# Altium PCB 10515.0500_Display_System（6拼版）_V1.0_20200907.PcbDoc (part 6 of 13)
Units mm, origin at the board's own origin, x right, y up, seen from the top; angles counter-clockwise.
Board outline 157 x 228.4 mm, 4 copper layers (Top Layer, Mid-Layer 1, Mid-Layer 2, Bottom Layer); 516 components, 0 nets, 1971 pads, 894 vias.
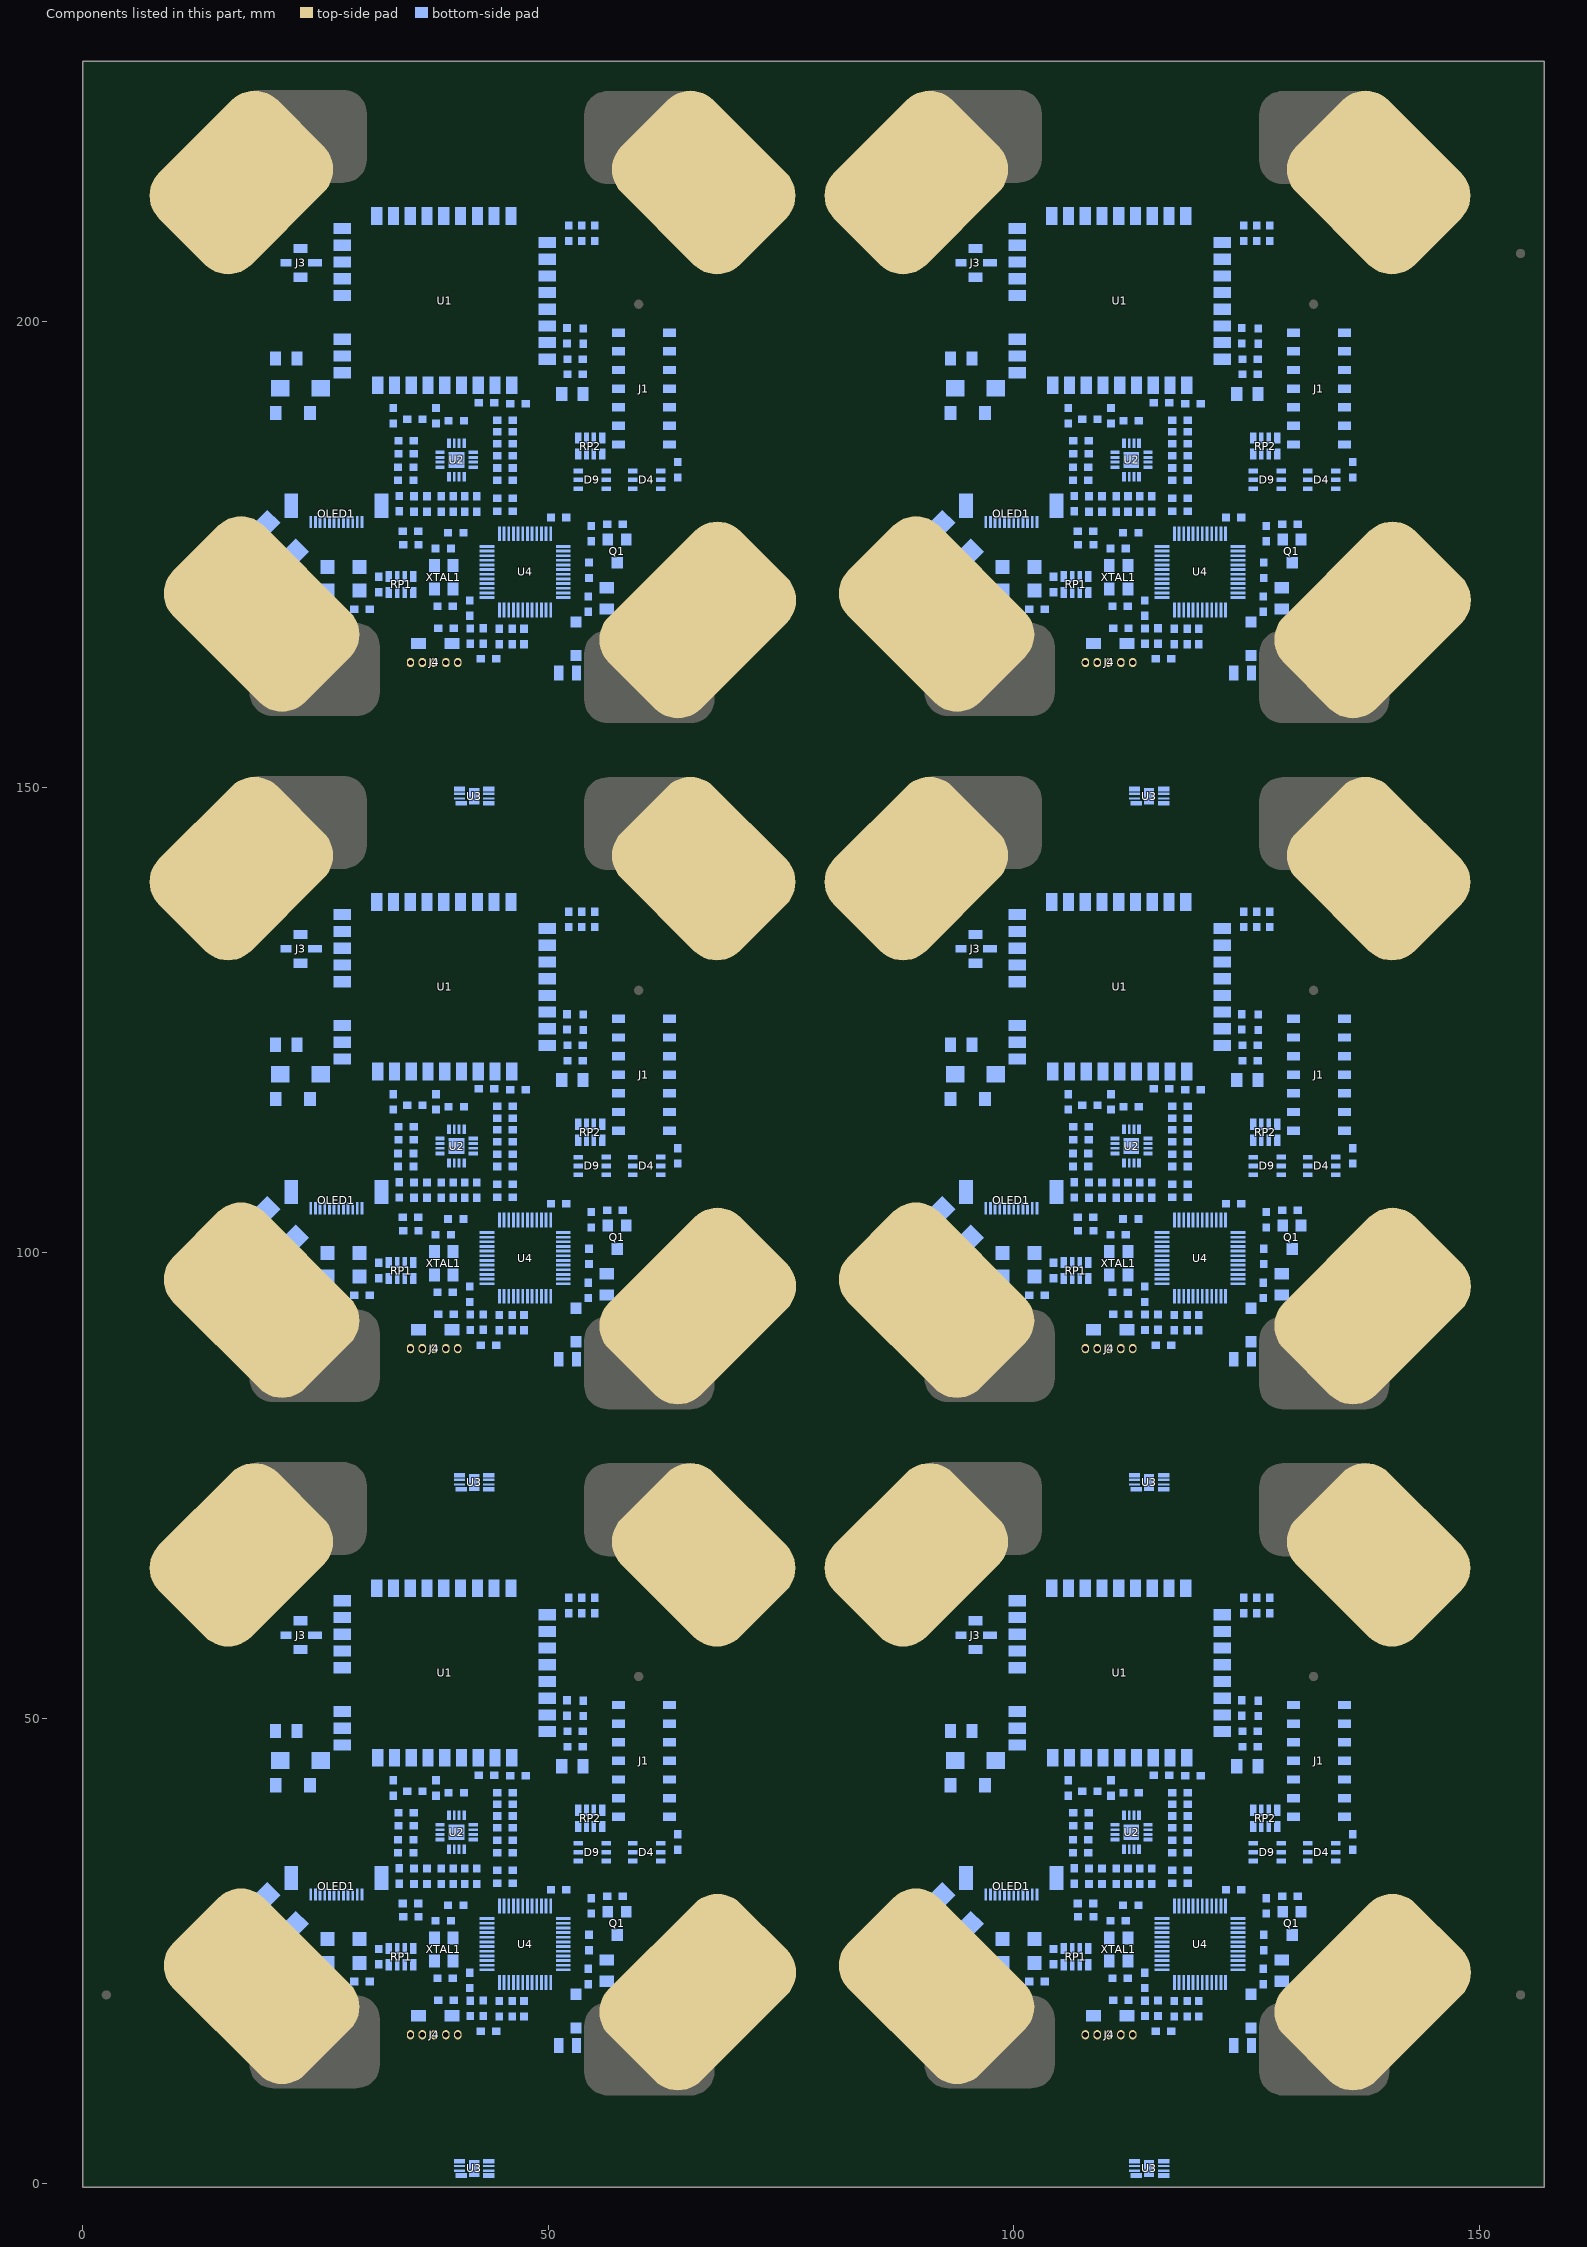
[diagram p8: the components of this part, seen from the top]

## Via types
v1: diameter 0.7, hole 0.4, Top Layer to Bottom Layer, tented both sides, 894 vias

## Nets (pads, with @x,y where several pads share a name; then routed paths per layer and width w, separated by ;. In a path a pad name is that pad's centre, name@x,y a point inside that pad or via, vN(x,y) a via of type N, cw(c..) or ccw(c..) an arc to the next point about the centre after c; other vN are vias at no path point) (continued)
copper on no net: (continued)
  Bottom Layer w0.25: 17.435,66.929 17.435,68.072 18.197,68.834 22.134,68.834 ; 17.435,140.629 17.435,141.772 18.197,142.534 22.134,142.534 ; 17.435,214.329 17.435,215.472 18.197,216.234 22.134,216.234 ; 20.991,21.463 27.214,21.463 v1(27.849,22.098) ; 20.991,66.929 21.372,66.929 21.753,66.548 55.027,66.548 56.043,65.532 56.043,56.134 55.281,55.372 52.106,55.372 51.852,55.118 v1(51.852,54.483) ; 20.991,95.163 27.214,95.163 v1(27.849,95.798) ; 20.991,140.629 21.372,140.629 21.753,140.248 55.027,140.248 56.043,139.232 56.043,129.834 55.281,129.072 52.106,129.072 51.852,128.818 v1(51.852,128.183) ; 20.991,168.863 27.214,168.863 v1(27.849,169.498) ; 20.991,214.329 21.372,214.329 21.753,213.948 55.027,213.948 56.043,212.932 56.043,203.534 55.281,202.772 52.106,202.772 51.852,202.518 v1(51.852,201.883) ; 21.108,66.686 cw(c21.281,65.949) 21.817,66.485 ; 21.108,140.386 cw(c21.281,139.649) 21.817,140.185 ; 21.108,214.086 cw(c21.281,213.349) 21.817,213.885 ; 21.352,21.102 cw(c22.223,20.232) 22.223,21.463 cw(c22.223,22.694) 21.352,21.824 ; 21.352,94.802 cw(c22.223,93.932) 22.223,95.163 cw(c22.223,96.394) 21.352,95.524 ; 21.352,168.502 cw(c22.223,167.632) 22.223,168.863 cw(c22.223,170.094) 21.352,169.224 ; 21.501,67.183 ccw(c22.426,67.183) 21.772,66.529 ; 21.501,140.883 ccw(c22.426,140.883) 21.772,140.229 ; 21.501,214.583 ccw(c22.426,214.583) 21.772,213.929 ; 21.66,58.734 cw(c21.19,58.264) 21.854,58.264 cw(c22.518,58.264) 22.049,58.734 ; 21.66,59.122 ccw(c21.19,59.592) 21.854,59.592 ccw(c22.518,59.592) 22.049,59.122 ; 21.66,132.434 cw(c21.19,131.964) 21.854,131.964 cw(c22.518,131.964) 22.049,132.434 ; 21.66,132.822 ccw(c21.19,133.292) 21.854,133.292 ccw(c22.518,133.292) 22.049,132.822 ; 21.66,206.134 cw(c21.19,205.664) 21.854,205.664 cw(c22.518,205.664) 22.049,206.134 ; 21.66,206.522 ccw(c21.19,206.992) 21.854,206.992 ccw(c22.518,206.992) 22.049,206.522 ; 22.852,60.256 ccw(c22.414,59.935) 22.414,60.478 ccw(c22.414,61.021) 22.852,60.7 ; 22.852,133.956 ccw(c22.414,133.635) 22.414,134.178 ccw(c22.414,134.721) 22.852,134.4 ; 22.852,207.656 ccw(c22.414,207.335) 22.414,207.878 ccw(c22.414,208.421) 22.852,208.1 ; 22.881,57.121 ccw(c22.287,56.563) 22.287,57.378 ccw(c22.287,58.193) 22.881,57.635 ; 22.881,130.821 ccw(c22.287,130.263) 22.287,131.078 ccw(c22.287,131.893) 22.881,131.335 ; 22.881,204.521 ccw(c22.287,203.963) 22.287,204.778 ccw(c22.287,205.593) 22.881,205.035 ; 23.912,67.31 22.388,68.834 22.134,68.834 ; 23.912,141.01 22.388,142.534 22.134,142.534 ; 23.912,214.71 22.388,216.234 22.134,216.234 ; 23.919,57.113 cw(c24.56,56.473) 24.56,57.378 cw(c24.56,58.283) 23.919,57.643 ; 23.919,60.213 cw(c24.56,59.573) 24.56,60.478 cw(c24.56,61.383) 23.919,60.743 ; 23.919,130.813 cw(c24.56,130.173) 24.56,131.078 cw(c24.56,131.983) 23.919,131.343 ; 23.919,133.913 cw(c24.56,133.273) 24.56,134.178 cw(c24.56,135.083) 23.919,134.443 ; 23.919,204.513 cw(c24.56,203.873) 24.56,204.778 cw(c24.56,205.683) 23.919,205.043 ; 23.919,207.613 cw(c24.56,206.973) 24.56,207.878 cw(c24.56,208.783) 23.919,208.143 ; 25.008,31.076 25.008,25.32 26.046,24.282 26.3,24.282 ; 25.008,104.776 25.008,99.02 26.046,97.982 26.3,97.982 ; 25.008,178.476 25.008,172.72 26.046,171.682 26.3,171.682 ; 25.018,25.31 cw(c23.432,23.724) 25.675,23.724 ; 25.018,99.01 cw(c23.432,97.424) 25.675,97.424 ; 25.018,172.71 cw(c23.432,171.124) 25.675,171.124 ; 25.182,45.466 25.588,45.466 ; 25.182,119.166 25.588,119.166 ; 25.182,192.866 25.588,192.866 ; 25.445,24.883 cw(c24.285,23.724) 25.925,23.724 ; 25.445,98.583 cw(c24.285,97.424) 25.925,97.424 ; 25.445,172.283 cw(c24.285,171.124) 25.925,171.124 ; 25.508,31.076 25.508,28.503 ; 25.508,104.776 25.508,102.203 ; 25.508,178.476 25.508,175.903 ; 25.59,60.478 ccw(c25.59,62.772) 27.212,61.15 ; 25.59,134.178 ccw(c25.59,136.472) 27.212,134.85 ; 25.59,207.878 ccw(c25.59,210.172) 27.212,208.55 ; 25.753,24.575 ccw(c26.3,25.123) 26.3,24.349 ; 25.753,98.275 ccw(c26.3,98.823) 26.3,98.049 ; 25.753,171.975 ccw(c26.3,172.523) 26.3,171.749 ; 25.858,26.706 ccw(c25.038,27.526) 26.198,27.526 ; 25.858,100.406 ccw(c25.038,101.226) 26.198,101.226 ; 25.858,174.106 ccw(c25.038,174.926) 26.198,174.926 ; 25.872,24.457 cw(c25.139,23.724) 26.175,23.724 ; 25.872,98.157 cw(c25.139,97.424) 26.175,97.424 ; 25.872,171.857 cw(c25.139,171.124) 26.175,171.124 ; 26.006,57.378 cw(c26.006,55.671) 27.212,56.878 ; 26.006,131.078 cw(c26.006,129.371) 27.212,130.578 ; 26.006,204.778 cw(c26.006,203.071) 27.212,204.278 ; 26.006,26.815 ccw(c25.609,27.559) 26.452,27.559 ; 26.006,100.515 ccw(c25.609,101.259) 26.452,101.259 ; 26.006,174.215 ccw(c25.609,174.959) 26.452,174.959 ; 26.124,26.594 ccw(c25.831,27.142) 26.452,27.142 ; 26.124,100.294 ccw(c25.831,100.842) 26.452,100.842 ; 26.124,173.994 ccw(c25.831,174.542) 26.452,174.542 ; 26.194,60.478 ccw(c26.194,62.168) 27.389,60.973 ; 26.194,134.178 ccw(c26.194,135.868) 27.389,134.673 ; 26.194,207.878 ccw(c26.194,209.568) 27.389,208.373 ; 26.198,26.416 26.198,27.813 ; 26.198,27.28 ccw(c27.145,27.28) 26.54,26.552 ; 26.198,27.559 25.508,28.249 25.508,28.503 ; 26.198,100.116 26.198,101.513 ; 26.198,100.98 ccw(c27.145,100.98) 26.54,100.252 ; 26.198,101.259 25.508,101.949 25.508,102.203 ; 26.198,173.816 26.198,175.213 ; 26.198,174.68 ccw(c27.145,174.68) 26.54,173.952 ; 26.198,174.959 25.508,175.649 25.508,175.903 ; 26.452,26.035 26.452,27.559 ; 26.452,27.406 ccw(c27.442,27.406) 26.742,26.706 ; 26.452,99.735 26.452,101.259 ; 26.452,101.106 ccw(c27.442,101.106) 26.742,100.406 ; 26.452,173.435 26.452,174.959 ; 26.452,174.806 ccw(c27.442,174.806) 26.742,174.106 ; 26.508,31.076 26.508,29.281 27.849,27.94 31.786,27.94 32.899,26.827 32.899,25.249 ; 26.508,104.776 26.508,102.981 27.849,101.64 31.786,101.64 32.899,100.527 32.899,98.949 ; 26.508,178.476 26.508,176.681 27.849,175.34 31.786,175.34 32.899,174.227 32.899,172.649 ; 26.609,57.378 cw(c26.609,56.275) 27.389,57.055 ; 26.609,131.078 cw(c26.609,129.975) 27.389,130.755 ; 26.609,204.778 cw(c26.609,203.675) 27.389,204.455 ; 26.7,26.744 cw(c27.588,27.813) 26.198,27.813 ; 26.7,100.444 cw(c27.588,101.513) 26.198,101.513 ; 26.7,174.144 cw(c27.588,175.213) 26.198,175.213 ; 26.797,57.378 ccw(c26.797,57.965) 27.212,57.55 ; 26.797,60.478 ccw(c26.797,61.565) 27.566,60.796 ; 26.797,131.078 ccw(c26.797,131.665) 27.212,131.25 ; 26.797,134.178 ccw(c26.797,135.265) 27.566,134.496 ; 26.797,204.778 ccw(c26.797,205.365) 27.212,204.95 ; 26.797,207.878 ccw(c26.797,208.965) 27.566,208.196 ; 27.008,31.076 27.008,29.67 28.23,28.448 32.294,28.448 33.799,26.943 33.799,25.249 ; 27.008,104.776 27.008,103.37 28.23,102.148 32.294,102.148 33.799,100.643 33.799,98.949 ; 27.008,178.476 27.008,177.07 28.23,175.848 32.294,175.848 33.799,174.343 33.799,172.649 ; 27.508,31.076 27.508,29.932 28.542,28.898 32.606,28.898 34.599,26.905 34.599,25.249 ; 27.508,104.776 27.508,103.632 28.542,102.598 32.606,102.598 34.599,100.605 34.599,98.949 ; 27.508,178.476 27.508,177.332 28.542,176.298 32.606,176.298 34.599,174.305 34.599,172.649 ; v1@27.624,22.098 cw(c27.081,22.098) 27.465,21.714 cw(c27.849,21.33) v1@27.849,21.873 ; v1@27.624,95.798 cw(c27.081,95.798) 27.465,95.414 cw(c27.849,95.03) v1@27.849,95.573 ; v1@27.624,169.498 cw(c27.081,169.498) 27.465,169.114 cw(c27.849,168.73) v1@27.849,169.273 ; 27.812,58.928 27.898,59.014 ; 27.812,132.628 27.898,132.714 ; 27.812,206.328 27.898,206.414 ; 27.898,57.214 27.734,57.378 25.944,57.378 23.404,57.378 22.287,57.378 21.854,57.811 21.854,58.928 21.854,59.918 22.414,60.478 23.404,60.478 27.562,60.478 27.898,60.814 ; 27.898,130.914 27.734,131.078 25.944,131.078 23.404,131.078 22.287,131.078 21.854,131.511 21.854,132.628 21.854,133.618 22.414,134.178 23.404,134.178 27.562,134.178 27.898,134.514 ; 27.898,204.614 27.734,204.778 25.944,204.778 23.404,204.778 22.287,204.778 21.854,205.211 21.854,206.328 21.854,207.318 22.414,207.878 23.404,207.878 27.562,207.878 27.898,208.214 ; 28.008,31.076 28.008,30.18 28.84,29.348 33.68,29.348 34.58,28.448 34.58,28.067 35.499,27.148 35.499,25.249 ; 28.008,104.776 28.008,103.88 28.84,103.048 33.68,103.048 34.58,102.148 34.58,101.767 35.499,100.848 35.499,98.949 ; 28.008,178.476 28.008,177.58 28.84,176.748 33.68,176.748 34.58,175.848 34.58,175.467 35.499,174.548 35.499,172.649 ; 28.508,31.076 28.508,30.316 28.853,29.972 31.532,29.972 ; 28.508,104.776 28.508,104.016 28.853,103.672 31.532,103.672 ; 28.508,178.476 28.508,177.716 28.853,177.372 31.532,177.372 ; 29.008,31.076 29.008,33.925 29.627,34.544 33.183,34.544 33.844,33.884 ; 29.008,104.776 29.008,107.625 29.627,108.244 33.183,108.244 33.844,107.584 ; 29.008,178.476 29.008,181.325 29.627,181.944 33.183,181.944 33.844,181.284 ; v1@29.951,32.608 cw(c29.844,32.204) 30.262,32.204 ; v1@29.951,106.308 cw(c29.844,105.904) 30.262,105.904 ; v1@29.951,180.008 cw(c29.844,179.604) 30.262,179.604 ; 29.997,31.598 ccw(c29.767,32.037) 30.262,32.037 ; 29.997,105.298 ccw(c29.767,105.737) 30.262,105.737 ; 29.997,178.998 ccw(c29.767,179.437) 30.262,179.437 ; 30.008,30.861 30.516,30.861 ; v1@30.008,32.601 cw(c30.008,32.058) 30.392,32.442 cw(c30.776,32.826) v1@30.233,32.826 ; v1(30.008,32.826) 30.008,31.076 ; 30.008,104.561 30.516,104.561 ; v1@30.008,106.301 cw(c30.008,105.758) 30.392,106.142 cw(c30.776,106.526) v1@30.233,106.526 ; v1(30.008,106.526) 30.008,104.776 ; 30.008,178.261 30.516,178.261 ; v1@30.008,180.001 cw(c30.008,179.458) 30.392,179.842 cw(c30.776,180.226) v1@30.233,180.226 ; v1(30.008,180.226) 30.008,178.476 ; v1@30.015,32.85 cw(c29.93,32.529) 30.262,32.529 ; v1@30.015,106.55 cw(c29.93,106.229) 30.262,106.229 ; v1@30.015,180.25 cw(c29.93,179.929) 30.262,179.929 ; 30.017,31.053 cw(c30.148,30.708) 30.409,30.969 ; 30.017,104.753 cw(c30.148,104.408) 30.409,104.669 ; 30.017,178.453 cw(c30.148,178.108) 30.409,178.369 ; v1@30.026,32.844 cw(c29.668,32.486) 30.174,32.486 ; v1@30.026,106.544 cw(c29.668,106.186) 30.174,106.186 ; v1@30.026,180.244 cw(c29.668,179.886) 30.174,179.886 ; 30.113,31.377 ccw(c29.983,31.624) 30.262,31.624 ; 30.113,105.077 ccw(c29.983,105.324) 30.262,105.324 ; 30.113,178.777 ccw(c29.983,179.024) 30.262,179.024 ; v1@30.167,32.667 ccw(c30.551,32.283) 30.008,32.283 ccw(c29.465,32.283) 29.849,32.667 cw(c29.064,31.882) 30.174,31.882 ; v1@30.167,106.367 ccw(c30.551,105.983) 30.008,105.983 ccw(c29.465,105.983) 29.849,106.367 cw(c29.064,105.582) 30.174,105.582 ; v1@30.167,180.067 ccw(c30.551,179.683) 30.008,179.683 ccw(c29.465,179.683) 29.849,180.067 cw(c29.064,179.282) 30.174,179.282 ; 30.174,31.434 cw(c30.151,31.434) 30.167,31.417 ccw(c29.938,31.646) 30.262,31.646 ; 30.174,32.037 cw(c29.547,32.037) 29.991,31.594 ccw(c29.335,32.25) 30.262,32.25 ; 30.174,105.134 cw(c30.151,105.134) 30.167,105.117 ccw(c29.938,105.346) 30.262,105.346 ; 30.174,105.737 cw(c29.547,105.737) 29.991,105.294 ccw(c29.335,105.95) 30.262,105.95 ; 30.174,178.834 cw(c30.151,178.834) 30.167,178.817 ccw(c29.938,179.046) 30.262,179.046 ; 30.174,179.437 cw(c29.547,179.437) 29.991,178.994 ccw(c29.335,179.65) 30.262,179.65 ; 30.229,31.155 ccw(c30.199,31.211) 30.262,31.211 ; 30.229,104.855 ccw(c30.199,104.911) 30.262,104.911 ; 30.229,178.555 ccw(c30.199,178.611) 30.262,178.611 ; 30.262,32.004 30.897,32.639 ; 30.262,105.704 30.897,106.339 ; 30.262,179.404 30.897,180.039 ; 30.334,30.916 ccw(c30.008,30.59) 30.008,31.051 cw(c30.008,30.283) 30.551,30.826 ; 30.334,104.616 ccw(c30.008,104.29) 30.008,104.751 cw(c30.008,103.983) 30.551,104.526 ; 30.334,178.316 ccw(c30.008,177.99) 30.008,178.451 cw(c30.008,177.683) 30.551,178.226 ; 30.389,32.258 30.389,30.861 30.174,31.076 ; 30.389,105.958 30.389,104.561 30.174,104.776 ; 30.389,179.658 30.389,178.261 30.174,178.476 ; 30.516,32.318 30.262,32.572 ; 30.516,32.826 30.516,30.861 ; 30.516,106.018 30.262,106.272 ; 30.516,106.526 30.516,104.561 ; 30.516,179.718 30.262,179.972 ; 30.516,180.226 30.516,178.261 ; 30.643,32.639 30.262,32.258 ; 30.643,106.339 30.262,105.958 ; 30.643,180.039 30.262,179.658 ; 30.834,21.717 30.963,21.717 32.225,20.455 32.225,13.912 33.771,12.366 41.184,12.366 41.478,12.072 41.478,4.913 41.725,4.666 44.9,4.666 45.248,4.318 45.248,2.413 44.74,1.905 43.63,1.905 ; 30.834,95.417 30.963,95.417 32.225,94.155 32.225,87.612 33.771,86.066 41.184,86.066 41.478,85.772 41.478,78.613 41.725,78.366 44.9,78.366 45.248,78.018 45.248,76.113 44.74,75.605 43.63,75.605 ; 30.834,169.117 30.963,169.117 32.225,167.855 32.225,161.312 33.771,159.766 41.184,159.766 41.478,159.472 41.478,152.313 41.725,152.066 44.9,152.066 45.248,151.718 45.248,149.813 44.74,149.305 43.63,149.305 ; 30.872,21.436 cw(c30.872,20.537) 31.508,21.172 ; 30.872,95.136 cw(c30.872,94.237) 31.508,94.872 ; 30.872,168.836 cw(c30.872,167.937) 31.508,168.572 ; 31.153,21.717 ccw(c31.613,21.717) 31.288,21.392 ; 31.153,95.417 ccw(c31.613,95.417) 31.288,95.092 ; 31.153,169.117 ccw(c31.613,169.117) 31.288,168.792 ; v1@31.688,30.352 cw(c31.156,30.349) 31.532,29.972 ; v1@31.688,104.052 cw(c31.156,104.049) 31.532,103.672 ; v1@31.688,177.752 cw(c31.156,177.749) 31.532,177.372 ; v1@31.805,30.156 cw(c31.703,29.972) 31.913,29.972 ; v1@31.805,103.856 cw(c31.703,103.672) 31.913,103.672 ; v1@31.805,177.556 cw(c31.703,177.372) 31.913,177.372 ; v1@31.912,30.128 ccw(c31.909,29.595) 31.532,29.972 ; v1@31.912,103.828 ccw(c31.909,103.295) 31.532,103.672 ; v1@31.912,177.528 ccw(c31.909,176.995) 31.532,177.372 ; v1(31.913,21.752) 32.513,21.752 32.675,21.59 32.675,14.351 34.21,12.816 49.174,12.816 49.799,13.44 49.799,21.598 49.774,21.623 ; v1(31.913,95.452) 32.513,95.452 32.675,95.29 32.675,88.051 34.21,86.516 49.174,86.516 49.799,87.14 49.799,95.298 49.774,95.323 ; v1(31.913,169.152) 32.513,169.152 32.675,168.99 32.675,161.751 34.21,160.216 49.174,160.216 49.799,160.84 49.799,168.998 49.774,169.023 ; v1@32.022,30.156 ccw(c32.123,29.972) 31.913,29.972 ; v1@32.022,103.856 ccw(c32.123,103.672) 31.913,103.672 ; v1@32.022,177.556 ccw(c32.123,177.372) 31.913,177.372 ; v1@32.072,21.593 cw(c32.456,21.209) 32.456,21.752 cw(c32.456,22.296) v1@32.072,21.912 ; v1@32.072,30.194 cw(c32.456,29.81) 32.456,30.353 cw(c32.456,30.896) v1@32.072,30.512 ; v1@32.072,95.293 cw(c32.456,94.909) 32.456,95.452 cw(c32.456,95.996) v1@32.072,95.612 ; v1@32.072,103.894 cw(c32.456,103.51) 32.456,104.053 cw(c32.456,104.596) v1@32.072,104.212 ; v1@32.072,168.993 cw(c32.456,168.609) 32.456,169.152 cw(c32.456,169.696) v1@32.072,169.312 ; v1@32.072,177.594 cw(c32.456,177.21) 32.456,177.753 cw(c32.456,178.296) v1@32.072,177.912 ; 32.294,30.353 31.913,29.972 ; 32.294,104.053 31.913,103.672 ; 32.294,177.753 31.913,177.372 ; v1@32.521,22.643 ccw(c31.695,23.519) 32.899,23.519 32.899,22.703 v1(32.675,22.479) ; v1@32.521,96.343 ccw(c31.695,97.219) 32.899,97.219 32.899,96.403 v1(32.675,96.179) ; v1@32.521,170.043 ccw(c31.695,170.919) 32.899,170.919 32.899,170.103 v1(32.675,169.879) ; v1@32.692,22.461 ccw(c32.241,22.94) 32.899,22.94 ; v1@32.692,96.161 ccw(c32.241,96.64) 32.899,96.64 ; v1@32.692,169.861 ccw(c32.241,170.34) 32.899,170.34 ; 32.74,23.11 cw(c32.356,22.726) 32.899,22.726 cw(c33.442,22.726) 33.058,23.11 ; 32.74,25.658 ccw(c32.356,26.042) 32.899,26.042 ccw(c33.442,26.042) 33.058,25.658 ; 32.74,96.81 cw(c32.356,96.426) 32.899,96.426 cw(c33.442,96.426) 33.058,96.81 ; 32.74,99.358 ccw(c32.356,99.742) 32.899,99.742 ccw(c33.442,99.742) 33.058,99.358 ; 32.74,170.51 cw(c32.356,170.126) 32.899,170.126 cw(c33.442,170.126) 33.058,170.51 ; 32.74,173.058 ccw(c32.356,173.442) 32.899,173.442 ccw(c33.442,173.442) 33.058,173.058 ; 33.059,30.353 cw(c33.059,28.806) 34.153,29.9 ; 33.059,104.053 cw(c33.059,102.506) 34.153,103.6 ; 33.059,177.753 cw(c33.059,176.206) 34.153,177.3 ; 33.278,34.449 ccw(c33.885,35.056) 33.968,34.202 ; 33.278,108.149 ccw(c33.885,108.756) 33.968,107.902 ; 33.278,181.849 ccw(c33.885,182.456) 33.968,181.602 ; 33.387,41.681 33.387,41.325 33.818,40.894 36.739,40.894 38.073,39.56 39.356,39.56 ; 33.387,115.381 33.387,115.025 33.818,114.594 36.739,114.594 38.073,113.26 39.356,113.26 ; 33.387,189.081 33.387,188.725 33.818,188.294 36.739,188.294 38.073,186.96 39.356,186.96 ; 33.619,41.484 ccw(c33.899,41.293) 33.659,41.053 ; 33.619,115.184 ccw(c33.899,114.993) 33.659,114.753 ; 33.619,188.884 ccw(c33.899,188.693) 33.659,188.453 ; 33.663,30.353 cw(c33.663,29.41) 34.329,30.077 ; 33.663,104.053 cw(c33.663,103.11) 34.329,103.777 ; 33.663,177.753 cw(c33.663,176.81) 34.329,177.477 ; 33.711,23.081 cw(c33.497,22.867) 33.799,22.867 cw(c34.101,22.867) 33.888,23.081 ; 33.711,25.687 ccw(c33.497,25.901) 33.799,25.901 ccw(c34.101,25.901) 33.888,25.687 ; 33.711,96.781 cw(c33.497,96.567) 33.799,96.567 cw(c34.101,96.567) 33.888,96.781 ; 33.711,99.387 ccw(c33.497,99.601) 33.799,99.601 ccw(c34.101,99.601) 33.888,99.387 ; 33.711,170.481 cw(c33.497,170.267) 33.799,170.267 cw(c34.101,170.267) 33.888,170.481 ; 33.711,173.087 ccw(c33.497,173.301) 33.799,173.301 ccw(c34.101,173.301) 33.888,173.087 ; 33.799,23.519 33.799,22.529 33.125,21.855 33.125,14.537 34.397,13.266 48.735,13.266 49.274,13.804 49.274,21.623 ; 33.799,97.219 33.799,96.229 33.125,95.555 33.125,88.237 34.397,86.966 48.735,86.966 49.274,87.504 49.274,95.323 ; 33.799,170.919 33.799,169.929 33.125,169.255 33.125,161.937 34.397,160.666 48.735,160.666 49.274,161.204 49.274,169.023 ; 33.886,29.142 ccw(c34.39,29.645) 34.39,28.933 ; 33.886,102.842 ccw(c34.39,103.345) 34.39,102.633 ; 33.886,176.542 ccw(c34.39,177.045) 34.39,176.333 ; 33.919,29.109 cw(c33.462,28.652) 34.108,28.652 ; 33.919,102.809 cw(c33.462,102.352) 34.108,102.352 ; 33.919,176.509 cw(c33.462,176.052) 34.108,176.052 ; 33.995,31.913 cw(c33.995,31.354) 34.39,31.749 ; 33.995,32.233 33.995,32.145 36.041,30.099 ; 33.995,105.613 cw(c33.995,105.054) 34.39,105.449 ; 33.995,105.933 33.995,105.845 36.041,103.799 ; 33.995,179.313 cw(c33.995,178.754) 34.39,179.149 ; 33.995,179.633 33.995,179.544 36.041,177.499 ; 34.136,30.353 v1(31.913,30.353) 31.532,29.972 ; 34.136,104.053 v1(31.913,104.053) 31.532,103.672 ; 34.136,177.753 v1(31.913,177.753) 31.532,177.372 ; 34.277,32.194 ccw(c35.077,32.194) 34.511,31.629 ; 34.277,105.894 ccw(c35.077,105.894) 34.511,105.329 ; 34.277,179.594 ccw(c35.077,179.594) 34.511,179.029 ; 34.357,28.393 cw(c34.215,28.056) 34.58,28.056 ; 34.357,102.093 cw(c34.215,101.756) 34.58,101.756 ; 34.357,175.793 cw(c34.215,175.456) 34.58,175.456 ; v1@34.419,21.526 cw(c33.876,21.526) 34.26,21.142 cw(c34.644,20.758) v1@34.644,21.301 ; v1@34.419,95.226 cw(c33.876,95.226) 34.26,94.842 cw(c34.644,94.458) v1@34.644,95.001 ; v1@34.419,168.926 cw(c33.876,168.926) 34.26,168.542 cw(c34.644,168.158) v1@34.644,168.701 ; 34.511,23.081 cw(c34.297,22.867) 34.599,22.867 cw(c34.901,22.867) 34.688,23.081 ; 34.511,25.687 ccw(c34.297,25.901) 34.599,25.901 ccw(c34.901,25.901) 34.688,25.687 ; 34.511,96.781 cw(c34.297,96.567) 34.599,96.567 cw(c34.901,96.567) 34.688,96.781 ; 34.511,99.387 ccw(c34.297,99.601) 34.599,99.601 ccw(c34.901,99.601) 34.688,99.387 ; 34.511,170.481 cw(c34.297,170.267) 34.599,170.267 cw(c34.901,170.267) 34.688,170.481 ; 34.511,173.087 ccw(c34.297,173.301) 34.599,173.301 ccw(c34.901,173.301) 34.688,173.087 ; 34.58,28.249 cw(c34.869,28.249) 34.665,28.453 ; 34.58,101.949 cw(c34.869,101.949) 34.665,102.153 ; 34.58,175.649 cw(c34.869,175.649) 34.665,175.853 ; 34.599,23.519 34.599,22.625 33.575,21.601 33.575,14.724 34.583,13.716 48.296,13.716 48.774,14.193 48.774,21.623 ; 34.599,97.219 34.599,96.325 33.575,95.301 33.575,88.424 34.583,87.416 48.296,87.416 48.774,87.893 48.774,95.323 ; 34.599,170.919 34.599,170.025 33.575,169.001 33.575,162.124 34.583,161.116 48.296,161.116 48.774,161.593 48.774,169.023 ; v1(34.644,21.526) 34.025,20.908 34.025,14.91 34.711,14.224 47.788,14.224 48.299,14.734 48.299,21.598 48.274,21.623 ; v1(34.644,95.226) 34.025,94.608 34.025,88.61 34.711,87.924 47.788,87.924 48.299,88.434 48.299,95.298 48.274,95.323 ; v1(34.644,168.926) 34.025,168.308 34.025,162.31 34.711,161.624 47.788,161.624 48.299,162.134 48.299,168.998 48.274,169.023 ; 35.34,23.11 cw(c34.956,22.726) 35.499,22.726 cw(c36.042,22.726) 35.658,23.11 ; 35.34,25.658 ccw(c34.956,26.042) 35.499,26.042 ccw(c36.042,26.042) 35.658,25.658 ; 35.34,96.81 cw(c34.956,96.426) 35.499,96.426 cw(c36.042,96.426) 35.658,96.81 ; 35.34,99.358 ccw(c34.956,99.742) 35.499,99.742 ccw(c36.042,99.742) 